# Altium PCB 23005.PcbDoc (part 1 of 3) (continued)
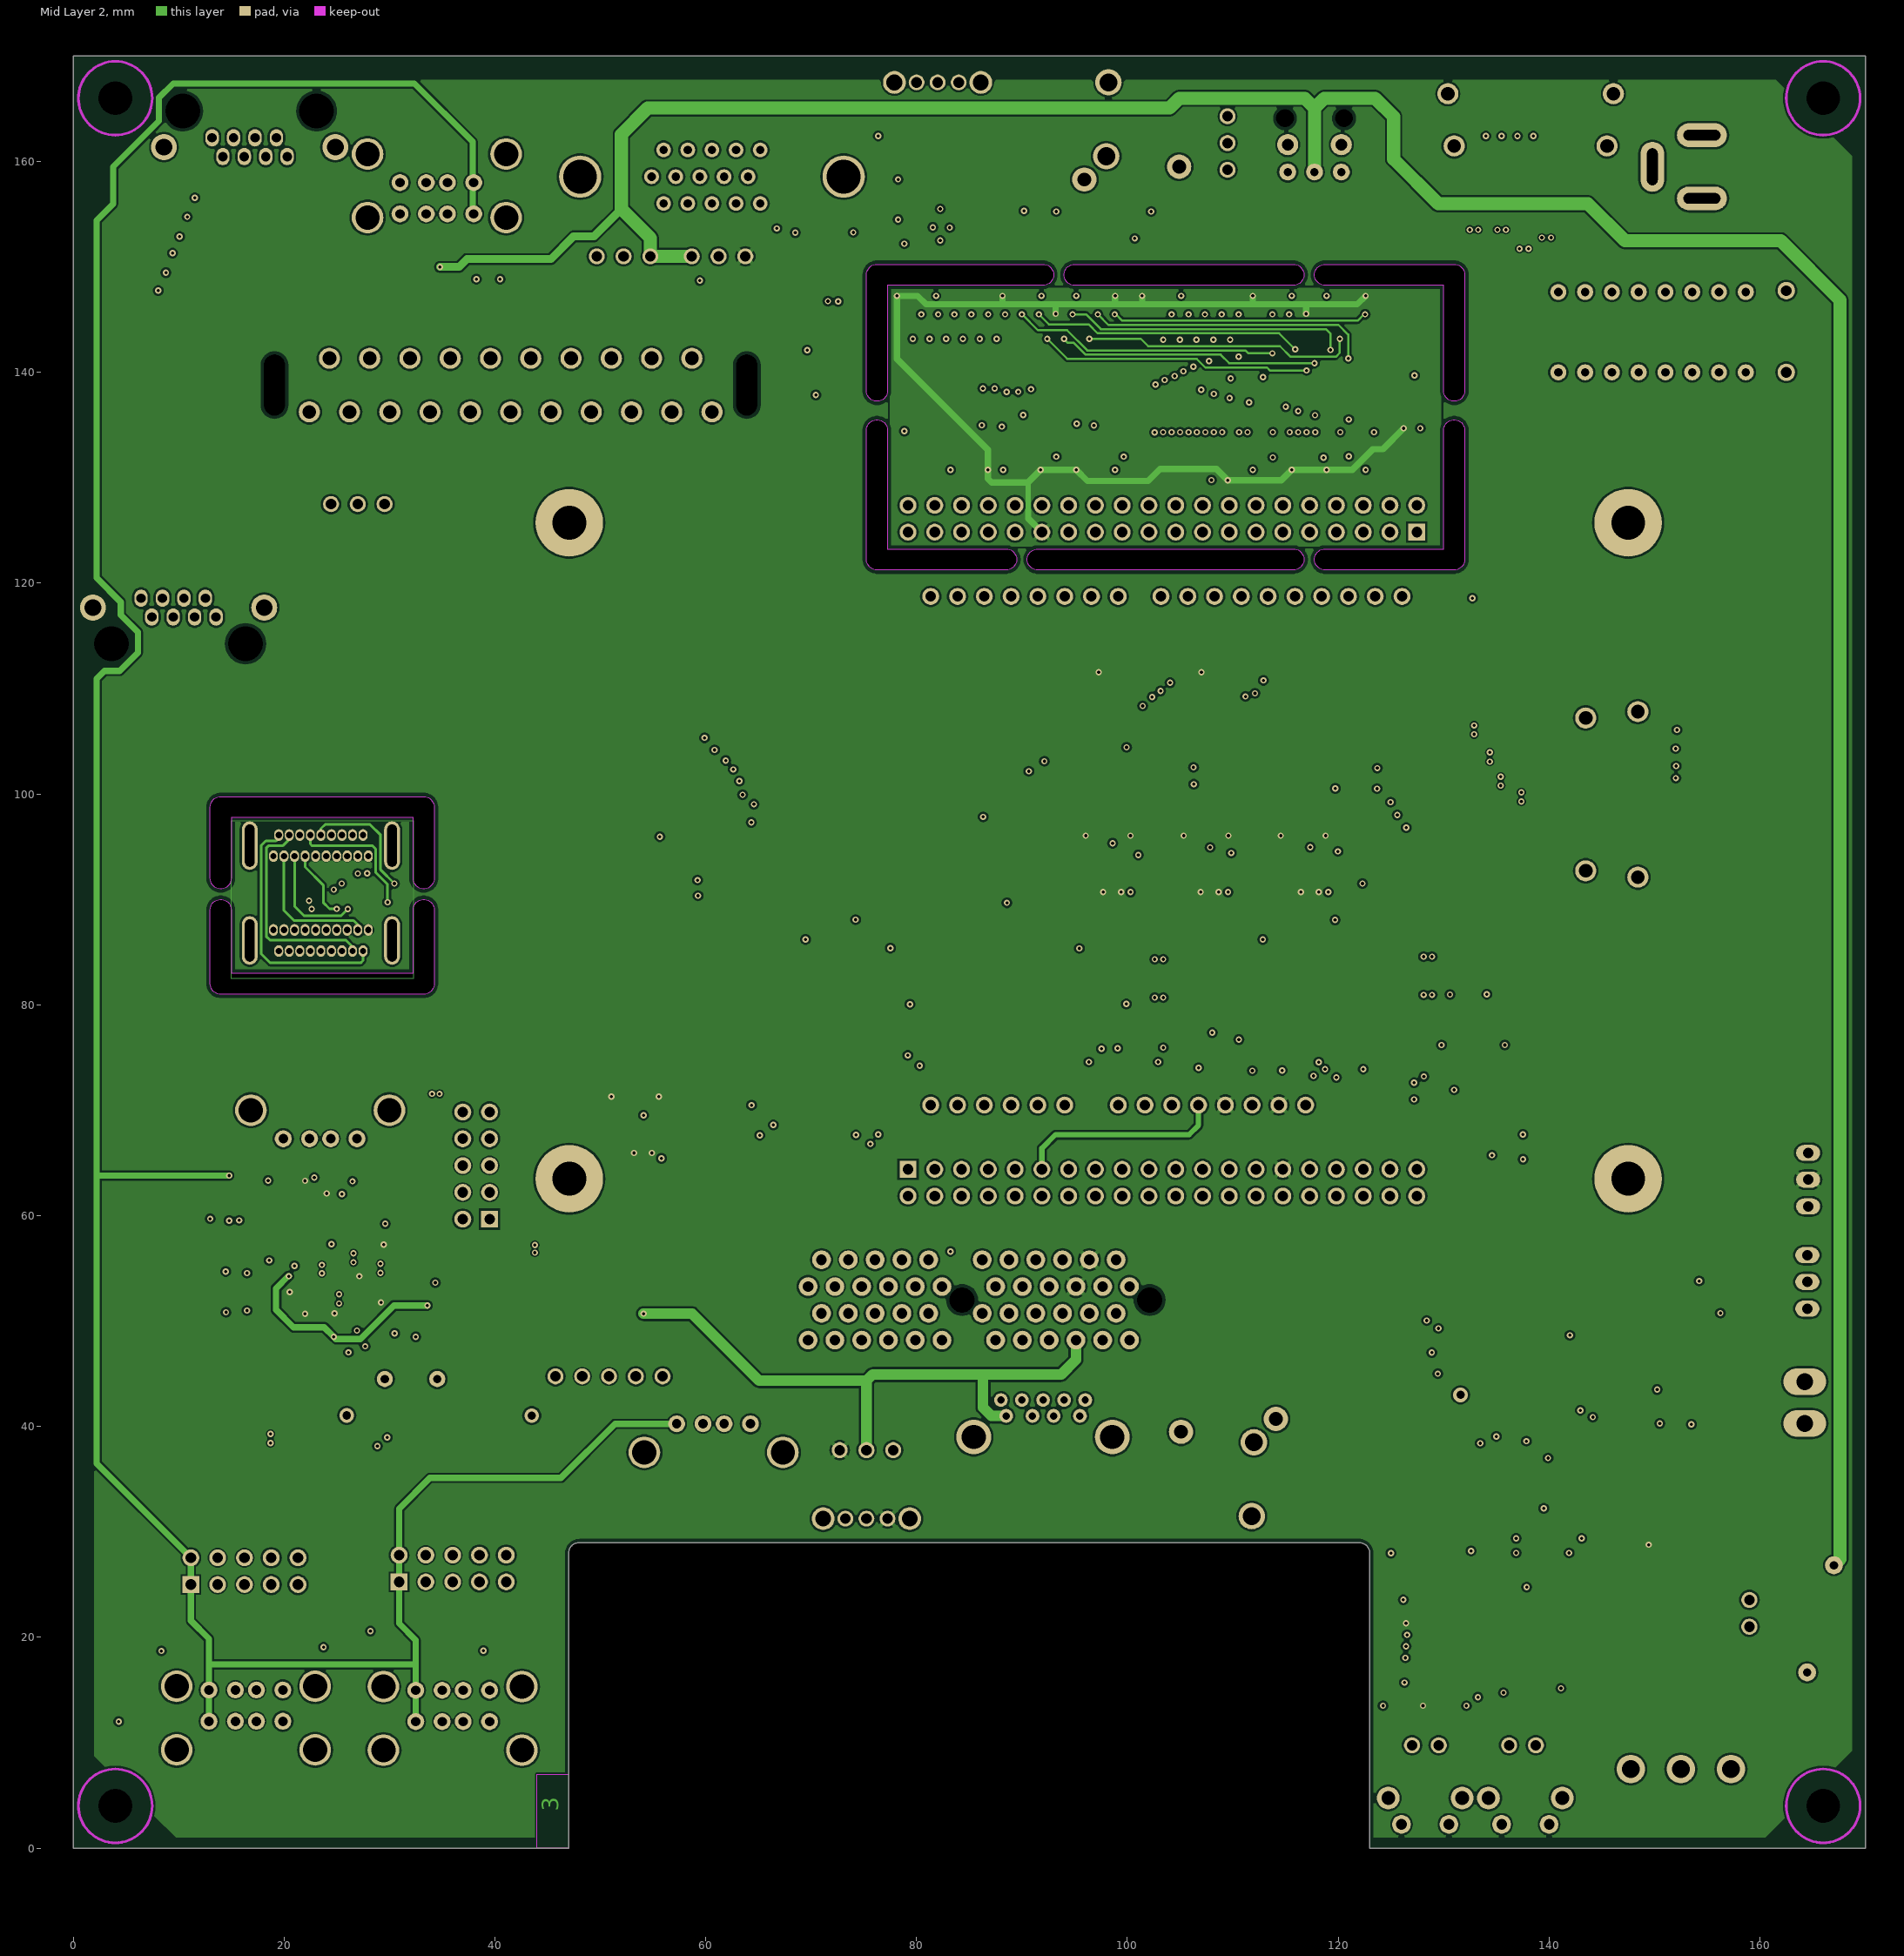
[diagram p3: Mid Layer 2]

## Layer stack, top to bottom
Top Solder: solder mask 0.0102, Solder Resist, Dk 3.5
Top Layer: signal copper 0.0356
Dielectric 1: core 0.3, FR-4, Dk 4.2
Mid Layer 1: signal copper 0.035
Dielectric 4: prepreg 0.12, PP-2116, Dk 4.2
Dielectric 2: prepreg 0.12, PP-2116, Dk 4.2
Mid Layer 2: signal copper 0.035
Dielectric 3: core 0.3, Dk 4.2
Bottom Layer: signal copper 0.0356
Bottom Solder: solder mask 0.0102, Solder Resist, Dk 3.5

## Board outline
0,0 0,170 170,170 170,0 123,0 122.999,0 122.999,27.975 ccw(c121.999,27.975) 121.999,28.975 48,28.975 ccw(c48,27.975) 47,27.975 47,0
cut-out: 13,92 13,98.75 cw(c14,98.75) 14,99.75 33.25,99.75 cw(c33.25,98.75) 34.25,98.75 34.25,92 cw(c33.25,92) 32.25,92 32.25,97.75 15,97.75 15,92 cw(c14,92)
cut-out: 14,81 cw(c14,82) 13,82 13,89 cw(c14,89) 15,89 15,83 32.25,83 32.25,89 cw(c33.25,89) 34.25,89 34.25,82 cw(c33.25,82) 33.25,81
cut-out: 91.5,121.25 cw(c91.5,122.25) 91.5,123.25 115.75,123.25 cw(c115.75,122.25) 116.75,122.25 cw(c115.75,122.25) 115.75,121.25
cut-out: 118.75,148.25 cw(c118.75,149.25) 118.75,150.25 131,150.25 cw(c131,149.25) 132,149.25 132,138.25 cw(c131,138.25) 130,138.25 130,148.25
cut-out: 95,148.25 cw(c95,149.25) 95,150.25 115.75,150.25 cw(c115.75,149.25) 116.75,149.25 cw(c115.75,149.25) 115.75,148.25
cut-out: 76.25,121.25 cw(c76.25,122.25) 75.25,122.25 75.25,134.5 cw(c76.25,134.5) 77.25,134.5 77.25,123.25 88.5,123.25 cw(c88.5,122.25) 89.5,122.25 cw(c88.5,122.25) 88.5,121.25
cut-out: 118.75,121.25 cw(c118.75,122.25) 118.75,123.25 130,123.25 130,134.5 cw(c131,134.5) 132,134.5 132,122.25 cw(c131,122.25) 131,121.25
cut-out: 75.25,138.25 75.25,149.25 cw(c76.25,149.25) 76.25,150.25 92,150.25 cw(c92,149.25) 93,149.25 cw(c92,149.25) 92,148.25 77.25,148.25 77.25,138.25 cw(c76.25,138.25)

## Design rules (kind name [scope] priority, off if disabled: settings)
BoardOutlineClearance [(OnLayer('Top Layer') OR  OnLayer('Mid Layer 1')  OR  OnLayer('Mid Layer 2')  OR  OnLayer('Bottom Layer') )] p1: gap=0.35 ignorepadtopadclearanceinfootprint=FALSE
Clearance Clearance_DIFF [(InDifferentialPairClass('All Differential Pairs'))] p1: gap=0.125 ignorepadtopadclearanceinfootprint=FALSE
Clearance "Clearance_hdmI skts" [HasFootprint('HDMI_VERT_PTH')] p2: gap=0.2 ignorepadtopadclearanceinfootprint=FALSE except(0.15: THPad-THPad; 0.254: Arc-Hole Track-Hole SMDPad-Hole THPad-Hole Via-Hole Fill-Hole Poly-Hole Region-Hole Text-Hole)
Clearance [All] p3: gap=0.2 ignorepadtopadclearanceinfootprint=FALSE except(0.3: Arc-Hole Track-Hole SMDPad-Hole THPad-Hole Via-Hole Fill-Hole Poly-Hole Region-Hole Text-Hole)
ComponentClearance [All] p1: gap=0.1 collisioncheckmode=3 verticalgap=0.2 showdistances=FALSE
DiffPairsRouting DiffPairsRouting_90R [All] p1: maxlimit=0.125 minlimit=0.125 mostfreqgap=0.125 toplayer_minwidth=0.23 toplayer_maxwidth=0.23 toplayer_prefwidth=0.23 midlayer1_minwidth=0.23 midlayer1_maxwidth=0.23 midlayer1_prefwidth=0.23 midlayer2_minwidth=0.23 midlayer2_maxwidth=0.23 midlayer2_prefwidth=0.23 bottomlayer_minwidth=0.23 bottomlayer_maxwidth=0.23 bottomlayer_prefwidth=0.23 maxuncoupledlength=12.7
DiffPairsRouting DiffPairsRouting_HDMI [All] p2: maxlimit=0.125 minlimit=0.125 mostfreqgap=0.125 toplayer_minwidth=0.198 toplayer_maxwidth=0.198 toplayer_prefwidth=0.198 midlayer1_minwidth=0.198 midlayer1_maxwidth=0.198 midlayer1_prefwidth=0.198 midlayer2_minwidth=0.198 midlayer2_maxwidth=0.198 midlayer2_prefwidth=0.198 bottomlayer_minwidth=0.198 bottomlayer_maxwidth=0.198 bottomlayer_prefwidth=0.198 maxuncoupledlength=12.7
HoleSize [All] p1: absolutevalues=TRUE maxlimit=12 minlimit=0.25 maxpercent=80.000 minpercent=20.000
MatchedLengths HDMI [InDifferentialPairClass('HDMI')] p1: tolerance=2 checknetsindiffpair=FALSE checkdiffpairvsdiffpair=TRUE checkxsignals=TRUE checkothers=TRUE
MinimumSolderMaskSliver [All] p1: minsoldermaskwidth=0.1
PlaneClearance [All] p1: clearance=0.32
PlaneConnect [All] p1: pad.planeconnectstyle=Relief pad.reliefexpansion=0.3 pad.reliefentries=4 pad.reliefconductorwidth=0.25 pad.reliefairgap=0.25 via.planeconnectstyle=Direct via.reliefexpansion=0.508 via.reliefentries=4 via.reliefconductorwidth=0.254 via.reliefairgap=0.254
PolygonConnect [All] p1: thpad.connectstyle=Relief thpad.reliefconductorwidth=0.4 thpad.reliefentries=4 thpad.polygonreliefangle="45 Angle" thpad.airgapwidth=0.2 smdpad.connectstyle=Relief smdpad.reliefconductorwidth=0.25 smdpad.reliefentries=4 smdpad.polygonreliefangle="90 Angle" smdpad.airgapwidth=0.2 via.connectstyle=Direct via.reliefconductorwidth=0.254 via.reliefentries=4 via.polygonreliefangle="90 Angle" via.airgapwidth=0.254
RoomDefinition 23005_1 [InComponentClass('23005_1')] p1: confinementstyle=ConfineIn formatcopy=TRUE lockcomponents=FALSE outline 170.999,1.55 250.249,1.55 250.249,28.3 170.999,28.3
RoomDefinition 23005_6 [InComponentClass('23005_6')] p2: confinementstyle=ConfineIn formatcopy=TRUE lockcomponents=FALSE outline 171.5,216.3 342.5,216.3 342.5,251.3 171.5,251.3
RoomDefinition 23005_5 [InComponentClass('23005_5')] p3: confinementstyle=ConfineIn formatcopy=TRUE lockcomponents=FALSE outline 171.5,171.3 483.5,171.3 483.5,214.3 171.5,214.3
RoomDefinition 23005_4 [InComponentClass('23005_4')] p4: confinementstyle=ConfineIn formatcopy=TRUE lockcomponents=FALSE outline 171.5,145.3 300.5,145.3 300.5,170.3 171.5,170.3
RoomDefinition 23005_3 [InComponentClass('23005_3')] p5: confinementstyle=ConfineIn formatcopy=TRUE lockcomponents=FALSE outline 171.5,86.3 504.5,86.3 504.5,145.3 171.5,145.3
RoomDefinition 23005_2 [InComponentClass('23005_2')] p6: confinementstyle=ConfineIn formatcopy=TRUE lockcomponents=FALSE outline 40.588,240.201 134.588,240.201 134.588,267.201 40.588,267.201
RoutingVias [All] p1: holewidth=0.3 width=0.6 viastyle="Through Hole" minholewidth=0.3 minwidth=0.6 maxholewidth=0.5 maxwidth=1 useviatemplates=TRUE viatemplateguid#1={BA7BB6D6-1E65-4750-8712-60FBF6EB1BCF} viatemplatename#1=v60h30m0mx0
SilkToSilkClearance [All] p1: silktosilkclearance=0.075
SilkToSolderMaskClearance [IsPad] p1: minsilkscreentomaskgap=0.075 clearancetoexposedcopper=FALSE
SolderMaskExpansion [All] p1: expansion=0.065 istentingtop=FALSE
Width 50R [InNetClass('50R')] p1: maxlimit=0.605 minlimit=0.605 preferedwidth=0.605
Width [All] p2: maxlimit=10 minlimit=0.2 preferedwidth=0.5
22 further rules are at their usual default settings.

## Classes and differential pairs
differential pair class HDMI: HDMI_CK HDMI_D0 HDMI_D1 HDMI_D2
differential pair class USB_90R: USB1_D USB2_D USB3_D USB4_D USB5_D USB6_D USB7_D USB_D
component class 23005_6: P10 P11
component class 23005_5: C24 C25 C26 C27 C28 C29 C30 C31 C32 C33 C34 C35 J1 J20 J21 J22 J23 JP4 JP9 JP10 JP11 LED5 LED6 LED7 LED8 LED9 LED10 R14 R15 R16 R17 R18 R19 R20 R21 R22 R23 R24 R25 R30 U4 U5 X2
component class 23005_4: C20 C21 J17 N14 N15 N16 N17 N18 N19 N20 N25 P2 P7 PP3 Q3 Q4 Q5 Q6 Q7 Q8 Q9 Q10 SW7
component class 23005_3: C14 C15 C16 C17 C18 C19 C22 C23 J4 J5 J7 J8 J9 J10 J11 J12 J13 J14 J15 LED1 LED2 LED3 N1 N2 N3 N4 N5 N6 N7 N8 N9 N10 N11 N12 N13 P1 P6 Q1 Q2 R1 R2 R4 R5 R6 R7 R8 R9 R10 R11 R29 SW3 SW4 SW5 SW6
component class 23005_2: C1 C2 C3 C4 C5 C6 C7 C8 C9 C10 C11 C12 C13 U1 U2 U3
component class 23005_1: D1 F1 J2 J6 J27 J28 J29 JP1 JP2 JP3 JP5 JP6 JP7 P3 P4 P5 PP1 PP2 PP4 PP5 PP6 PP7 PP8 PP9 PP10 PP11 PP12 PP13 PP14 PP15 Q19 Q20 Q21 R3 R12 R13 R26 R27 R28 SW1 SW2
differential pair HDMI_D2: +HDMI_D2_P -HDMI_D2_N
differential pair HDMI_D1: +HDMI_D1_P -HDMI_D1_N
differential pair HDMI_D0: +HDMI_D0_P -HDMI_D0_N
differential pair HDMI_CK: +HDMI_CK_P -HDMI_CK_N
differential pair USB_D: +USB_D_P -USB_D_N
differential pair USB7_D: +USB7_D_P -USB7_D_N
differential pair USB6_D: +USB6_D_P -USB6_D_N
differential pair USB5_D: +USB5_D_P -USB5_D_N
differential pair USB4_D: +USB4_D_P -USB4_D_N
differential pair USB3_D: +USB3_D_P -USB3_D_N
differential pair USB2_D: +USB2_D_P -USB2_D_N
differential pair USB1_D: +USB1_D_P -USB1_D_N

## Components (designator, comment, footprint, x,y, rotation, side; value= is the part's Value field where it differs from the comment)
C1 "100nF" SM0603 127,135.75 r0 top
C2 "1uF" SM0603 108.75,130.75 r180 top
C3 "1uF" SM0603 103.25,147.25 r0 top
C4 "1uF" SM0603 113.75,147.25 r0 top
C5 "1uF" SM0603 120.75,147.25 r180 top
C6 "1uF" SM0603 113.75,130.75 r180 top
C7 "1uF" SM0603 120.75,130.75 r0 top
C8 "1uF" SM0603 80,147.25 r0 top
C9 "1uF" SM0603 90,147.25 r0 top
C10 "1uF" SM0603 97,147.25 r180 top
C11 "1uF" SM0603 85,130.75 r180 top
C12 "1uF" SM0603 90,130.75 r180 top
C13 "1uF" SM0603 97,130.75 r0 top
C14 "10nF SM0603" SM0603 84,155.5 r180 top
C15 "10nF SM0603" SM0603 102.25,153.5 r270 top
C16 "100uF 10V" SM1206 105,154.25 r90 top
C17 "10nF SM0603" SM0603 84,152.5 r180 top
C18 "10nF SM0603" SM0603 93.25,153.5 r270 top
C19 "100uF 10V" SM1206 96,154.25 r90 top
C20 "10uF" SM0805 130.25,13.5 r0 top
C21 "100nF" SM0603 126,13.5 r180 top
C22 "100uF 10V" SM1206 27,124 r180 top
C23 "100nF" SM0603 115.75,155.25 r180 top
C24 "10uF" SM0805 26,12.25 r180 top
C25 "10uF" SM0805 31.5,18.5 r180 top
C26 "10uF" SM0805 11.75,18.5 r180 top
C27 "10uF" SM0805 7,12 r180 top
C28 "10uF" SM0805 38.25,150.75 r270 top
C29 "10uF" SM0805 40.5,150.75 r270 top
C30 "10uF" SM0805 14.5,52.75 r270 top
C31 "100nF" SM0603 16.5,52.75 r270 top
C32 "10uF" SM0805 30.75,58.25 r90 top
C33 "100nF" SM0603 24.75,61 r0 top
C34 "10uF" SM0805 32.5,50.5 r270 top
C35 "100nF" SM0603 30.5,50.5 r270 top
D1 "BZX84C5V1" SOT23 152.291,54.75 r90 top
F1 "MF-RX375/72-2" FUSE-MF-RX375/72-2 165.75,21.75 r90 top
J1 "5W SIL" 5WSIL 45.75,44.75 r0 top
J2 "PHONEJACK STEREO_RA" JACKSOCKET-STEREO 109.597,28.99 r270 top
J4 "3W SIL" 3WSIL 109.5,164.29 r270 top
J5 "FC684208T" FCR684208T 117.75,159 r0 top
J6 "PJ-202A 3.5MM Power Jack" CUI_PJ-202A 154.5,163 r90 top
J7 "HEADER 3" 3W0.1KK 164.575,65.95 r270 top
J8 "HEADER 3" 3W0.1KK 164.5,56.25 r270 top
J9 "PHONEJACK STEREO_RA" JACKSOCKET-STEREO 100.403,170.01 r90 top
J10 "3W SIL" 3WSIL 54.75,151 r180 top
J11 "2W SIL" 2WSIL 159,23.54 r270 top
J12 "2W SIL" 2WSIL 129.54,9.75 r180 top
J13 "3W SIL" 3WSIL 63.76,151 r180 top
J14 "2W SIL" 2WSIL 138.75,9.75 r180 top
J15 "3W SIL" 3WSIL 29.54,127.5 r180 top
J17 "3W SIL" 3WSIL 77.79,37.75 r180 top
J20 "HEADER 5X2" 10WHDR_5X2 30.92,25.25 r0 top
J21 "HEADER 5X2" 10WHDR_5X2 11.17,25 r0 top
J22 "HEADER 5X2" 10WHDR_5X2 39.5,59.67 r90 top
J23 "USB-A" USB_WURTH_61400416021 60.75,40.25 r0 top
J27 "RJ-45" P-RJHSE-XE80 10,114.25 r0 top
J28 "RJ-45" P-RJHSE-XE80 16.742,164.79 r180 top
J29 "0.156K 2W" 2W156KK 164.25,44.25 r270 top
JP1 "HEADER 20X2" "40WHDR_20X2 - DE10-NANO" 127.45,124.84 r180 top
JP2 "HEADER 10" 10WSIL 126.05,118.74 r180 top
JP3 "HEADER 8" 8WSIL 99.13,118.74 r180 top
JP4 "DUAL USB-A" USB_STACK 41.14,162.53 r180 top
JP5 "HEADER 8" 8WSIL 116.91,70.49 r180 top
JP6 "HEADER 6W" 6WSIL 94.05,70.49 r180 top
JP7 "HEADER 20X2" "40WHDR_20X2 - DE10-NANO" 79.19,64.39 r0 top
JP9 "DUAL USB-A" USB_STACK 29.36,7.47 r0 top
JP10 "DUAL USB-A" USB_STACK 9.75,7.5 r0 top
JP11 "USB-A" USB_WURTH_61400416021 23.43,67.29 r180 top
LED1 "LED" SM0603LED_1 153.5,37 r90 top
LED2 "LED" SM0603LED_1 150.5,37 r90 top
LED3 "LED" SM0603LED_1 147.5,37 r90 top
LED5 "GREEN" SM0603LED_1 42,19.5 r90 top
LED6 "GREEN" SM0603LED_1 44,19.537 r90 top
LED7 "GREEN" SM0603LED_1 4,19.5 r90 top
LED8 "GREEN" SM0603LED_1 6,19.5 r90 top
LED9 "GREEN" SM0603LED_1 27,150.5 r270 top
LED10 "GREEN" SM0603LED_1 29,150.5 r270 top
N1 "560R SM1206" 1206RES4_I2 87.25,154 r0 top
N2 "56R SM1206" 1206RES4_I2 150.75,30.5 r90 top
N3 "470R SM1206" 1206RES4_I2 103,77.75 r90 top
N4 "240R SM1206" 1206RES4_I2 103,82.5 r90 top
N5 "470R SM1206" 1206RES4_I2 96.75,77.75 r90 top
N6 "240R SM1206" 1206RES4_I2 96.75,82.5 r90 top
N7 "470R SM1206" 1206RES4_I2 134.5,78 r90 top
N8 "470R SM1206" 1206RES4_I2 114.25,78 r90 top
N9 "240R SM1206" 1206RES4_I2 114.25,82.75 r90 top
N10 "240R SM1206" 1206RES4_I2 128.5,82.75 r90 top
N11 "470R SM1206" 1206RES4_I2 128.5,78 r90 top
N12 "470R SM1206" 1206RES4_I2 121,78 r90 top
N13 "240R SM1206" 1206RES4_I2 121,82.75 r90 top
N14 "10K" 1206RES4_I2 54.5,67.75 r90 top
N15 "10K" 1206RES4_I2 99,92.5 r90 top
N16 "100R" 1206RES4_I2 102.75,105.5 r270 top
N17 "100R" 1206RES4_I2 112.5,105.5 r270 top
N18 "10K" 1206RES4_I2 117.75,92.5 r90 top
N19 "10K" 1206RES4_I2 108.75,110.25 r180 top
N20 "10K" 1206RES4_I2 99,110.25 r180 top
N25 "10K" 1206RES4_I2 108.25,92.5 r90 top
P1 "DB15 VGA" 15WVGASKTRA 56.01,156.02 r0 top
P2 "uSDCARD" AMP_114-00841-68 125.75,21.25 r270 top
P3 "HDMI_CON" AMPFCI_1029449 145.5,99.96 r90 top
P4 "HDMI_CON" AMPFCI_1029449 138.25,163.5 r180 top
P5 "5650090-7" AMC_RISER2 100.2,48.19 r90 top locked
P6 "SCART" K-SCART-024 41.5,138.79 r0 top
P7 "CONN USB 9 WAY" WURTH_692121030100 92,41 r0 top
P10 "HDMI_CON" HDMI_VERT_PTH 23.5,86.1 r0 top
P11 "HDMI_CON" HDMI_VERT_PTH 23.5,95.1 r180 top
PP1 "PROBEPOINT_SHORT" 1MM_WIRING 162.5,140 r90 top
PP2 "PROBEPOINT_SHORT" 1MM_WIRING 162.5,147.75 r90 top
PP3 "PROBEPOINT_SHORT" PROBEPOINT 134.125,33.1 r0 top
PP4 "PROBEPOINT_SHORT" PROBEPOINT 89,72.75 r180 bottom
PP5 "PROBEPOINT_SHORT" PROBEPOINT 86.5,72.75 r180 bottom
PP6 "PROBEPOINT_SHORT" PROBEPOINT 84,72.75 r180 bottom
PP7 "PROBEPOINT_SHORT" PROBEPOINT 81.5,72.75 r180 bottom
PP8 "PROBEPOINT_SHORT" PROBEPOINT 99,115.5 r180 bottom
PP9 "PROBEPOINT_SHORT" PROBEPOINT 96.5,115.5 r180 bottom
PP10 "PROBEPOINT_SHORT" PROBEPOINT 94,115.5 r90 bottom
PP11 "PROBEPOINT_SHORT" PROBEPOINT 91.5,115.5 r180 bottom
PP12 "PROBEPOINT_SHORT" PROBEPOINT 89,115.5 r90 bottom
PP13 "PROBEPOINT_SHORT" PROBEPOINT 86.5,115.5 r90 bottom
PP14 "PROBEPOINT_SHORT" PROBEPOINT 84,115.5 r90 bottom
PP15 "PROBEPOINT_SHORT" PROBEPOINT 81.5,115.5 r90 bottom
Q1 "BC848" SOT23 71.25,151.5 r0 top
Q2 "BC847" SOT23 78.25,160.5 r180 top
Q3 "BSS138" SOT23 52,73.25 r0 top
Q4 "BSS138" SOT23 56.5,73.25 r0 top
Q5 "BSS138" SOT23 101.25,98 r0 top
Q6 "BSS138" SOT23 97,98 r0 top
Q7 "BSS138" SOT23 115.5,98 r0 top
Q8 "BSS138" SOT23 119.75,98 r0 top
Q9 "BSS138" SOT23 106.291,98 r0 top
Q10 "BSS138" SOT23 110.541,98 r0 top
Q19 "MMSS8550H" SOT23 152,50.25 r0 top
Q20 "DMP2066LSN-7" SOT23 152,46.25 r90 top
Q21 "DMP2066LSN-7" SOT23 158,46.25 r180 top
R1 "820R SM0603" SM0603 74,151.5 r90 top
R2 "1K2 SM0603" SM0603 68.5,151.5 r90 top
R3 "6K8" SM0603 152,43.5 r180 top
R4 "68R SM0603" SM0603 71.25,148.75 r180 top
R5 "3K3 SM0603" SM0603 66.75,151.5 r270 top
R6 "68R SM0603" SM0603 31,150.5 r90 top
R7 "100R SM0603" SM0603 78.25,156.5 r270 top
R8 "DNF" SM0603 83,163.5 r0 top
R9 "1K SM0603" SM0603 80,156.5 r90 top
R10 "1K SM0603" SM0603 79.75,163.5 r0 top
R11 "100R SM0603" SM0603 80,153 r90 top
R12 "30K" SM0603 158,50.75 r180 top
R13 "6K8" SM0603 149.25,50.5 r90 top
R14 "510R" SM0603 43.5,36 r90 top
R15 "510R" SM0603 45.25,36 r90 top
R16 "510R" SM0603 4,24 r90 top
R17 "510R" SM0603 6,24 r90 top
R18 "510R" SM0603 8.75,61.5 r270 top
R19 "510R" SM0603 10.75,61.5 r270 top
R20 "5K6 SM0603" SM0603 13,61.5 r90 top
R21 "0R" SM0603 20.25,61.5 r270 top
R22 "10K SM0603" SM0603 18.5,61.5 r270 top
R23 "10K" SM0603 22,61.5 r90 top
R24 "47K" SM0603 24.75,63.25 r180 top
R25 "2K7" SM0603 32.5,53.25 r180 top
R26 "100K" SM0603 154.75,46.25 r270 top
R27 "30K" SM0603 158,49 r0 top
R28 "330R" SM0603 154.75,50.25 r90 top
R29 "1K SM0603" SM0603 120,155.25 r0 top
R30 "100K" SM0603 27.5,62.5 r90 top
SW1 "SW DIP-8" 8WSWITCH 140.88,140 r0 top
SW2 "SW SPDT" SW_CK_L102011ml04Q 152.5,7.5 r0 top
SW3 "PUSHBUTTON" SW_SM_6MM 150.75,22.5 r90 top
SW4 "SW PUSHBUTTON VERT" SW_TS6H2A 128.25,2.25 r0 top
SW5 "SW PUSHBUTTON VERT" SW_TS6H2A 137.75,2.25 r0 top
SW6 "SW SPDT" SW_ITT_OS102011MS2QN1 82,167.5 r0 top
SW7 "SW SPDT" SW_ITT_OS102011MS2QN1 75.25,31.25 r0 top
U1 "SN74LVC1G04" SOT23-5 127,138.75 r90 top
U2 "AS4C32M16SB" TSOP54/080 90,138.75 r270 top
U3 "AS4C32M16SB" TSOP54/080 113.75,138.75 r270 top
U4 "NCP380LSNAJAAT1G" SOT23-6LEAD 15.75,61.5 r90 top
U5 "FE2.1" LQFP48 23.75,54 r0 top
X2 "12MHz" HC49_I3 32,44.5 r180 top

## Footprints (in the part's own frame and the unit in brackets; to place one, negate y for a bottom-side part, rotate by r counter-clockwise, add the part's x,y. Pads: shape width x height; smd on the part's side, far side on the other; paste and mask are expansions set on the pad)
1MM_WIRING [mm]
  round 1.65 hole 1: 1(0,0)
  silkscreen extent -1.25,-1.25 1.25,1.25
2W156KK [mil]
  oval 100x160 hole 62.99: 1(0,0) 2(156,0)
  silkscreen extent -79,-150 238,150, body extent -55,-150 212,150, height 579
2WSIL [mil]
  rect 60x60 / inner round 60 / far side rect 60x60 hole 39.37: 1(0,0)
  round 60 hole 39.37: 2(100,0)
  silkscreen extent -50,-50 150,50, body extent -44,-46 146,46, height 425
3W0.1KK [mil]
  oval 60x90 hole 39.37: 1(0,0) 2(100,0) 3(200,0)
  silkscreen extent -55,-110 260,110, body extent -50,-122 250,128, height 421
3WSIL [mil]
  rect 60x60 / inner round 60 / far side rect 60x60 hole 39.37: 1(0,0)
  round 60 hole 39.37: 2(100,0) 3(200,0)
  silkscreen extent -50,-50 250,50, body extent -50,-49 250,49, height 336
5WSIL [mil]
  rect 60x60 / inner round 60 / far side rect 60x60 hole 39.37: 1(0,0)
  round 60 hole 39.37: 2(100,0) 3(200,0) 4(300,0) 5(400,0)
  silkscreen extent -50,-50 450,50, body extent -50,-49 450,49, height 336
6WSIL [mm]
  rect 1.6x1.6 / inner round 1.6 / far side rect 1.6x1.6 hole 1: 1(0,0)
  round 1.6 hole 1: 2(2.54,0) 3(5.08,0) 4(7.62,0) 5(10.16,0) 6(12.7,0)
  silkscreen extent -1.65,-1.78 13.97,1.27, body extent -1.27,-1.24 13.97,1.25, height 8.54
8WSIL [mm]
  rect 1.6x1.6 / inner round 1.6 / far side rect 1.6x1.6 hole 1: 1(0,0)
  round 1.6 hole 1: 2(2.54,0) 3(5.08,0) 4(7.62,0) 5(10.16,0) 6(12.7,0) 7(15.24,0) 8(17.78,0)
  silkscreen extent -1.65,-1.78 19.05,1.27, body extent -1.27,-1.24 19.05,1.25, height 8.54
8WSWITCH [mil]
  rect 60x60 / inner round 60 / far side rect 60x60 hole 31.5: 1(0,0)
  round 60 hole 31.5: 2(100,0) 3(200,0) 4(300,0) 5(400,0) 6(500,0) 7(600,0) 8(700,0) 9(700,300) 10(600,300) 11(500,300) 12(400,300) 13(300,300) 14(200,300) 15(100,300) 16(0,300)
  silkscreen extent -80,-50 780,350
10WHDR_5X2 [mm]
  rect 1.6x1.6 hole 1: 1(0,0)
  round 1.6 hole 1: 2(0,2.54) 3(2.54,0) 4(2.54,2.54) 5(5.08,0) 6(5.08,2.54) 7(7.62,0) 8(7.62,2.54) 9(10.16,0) 10(10.16,2.54)
  silkscreen extent -1.27,-1.91 11.43,3.81, body extent -1.25,-1.27 11.41,3.81, height 8.54
10WSIL [mm]
  rect 1.6x1.6 / inner round 1.6 / far side rect 1.6x1.6 hole 1: 1(0,0)
  round 1.6 hole 1: 2(2.54,0) 3(5.08,0) 4(7.62,0) 5(10.16,0) 6(12.7,0) 7(15.24,0) 8(17.78,0) 9(20.32,0) 10(22.86,0)
  silkscreen extent -1.65,-1.78 24.13,1.27, body extent -1.27,-1.24 24.13,1.25, height 8.54
15WVGASKTRA [mm]
  round 1.4 hole 0.8: 1(0,0) 2(2.29,0) 3(4.58,0) 4(6.87,0) 5(9.16,0) 6(-1.143,2.54) 7(1.147,2.54) 8(3.437,2.54) 9(5.727,2.54) 10(8.017,2.54) 11(0,5.08) 12(2.29,5.08) 13(4.58,5.08) 14(6.87,5.08) 15(9.16,5.08)
  round 4 hole 3.2: 16(-7.92,2.54) 17(17.08,2.54)
  silkscreen extent -10.42,-1.27 19.58,13.84
"40WHDR_20X2 - DE10-NANO" [mm]
  rect 1.6x1.6 hole 1: 1(0,0)
  round 1.6 hole 1: 2(0,-2.54) 3(2.54,0) 4(2.54,-2.54) 5(5.08,0) 6(5.08,-2.54) 7(7.62,0) 8(7.62,-2.54) 9(10.16,0) 10(10.16,-2.54) 11(12.7,0) 12(12.7,-2.54) 13(15.24,0) 14(15.24,-2.54) 15(17.78,0) 16(17.78,-2.54) 17(20.32,0) 18(20.32,-2.54) 19(22.86,0) 20(22.86,-2.54) 21(25.4,0) 22(25.4,-2.54) 23(27.94,0) 24(27.94,-2.54) 25(30.48,0) 26(30.48,-2.54) 27(33.02,0) 28(33.02,-2.54) 29(35.56,0) 30(35.56,-2.54) 31(38.1,0) 32(38.1,-2.54) 33(40.64,0) 34(40.64,-2.54) 35(43.18,0) 36(43.18,-2.54) 37(45.72,0) 38(45.72,-2.54) 39(48.26,0) 40(48.26,-2.54)